# KiCad board NoU2-panelized2.kicad_pcb (continued)
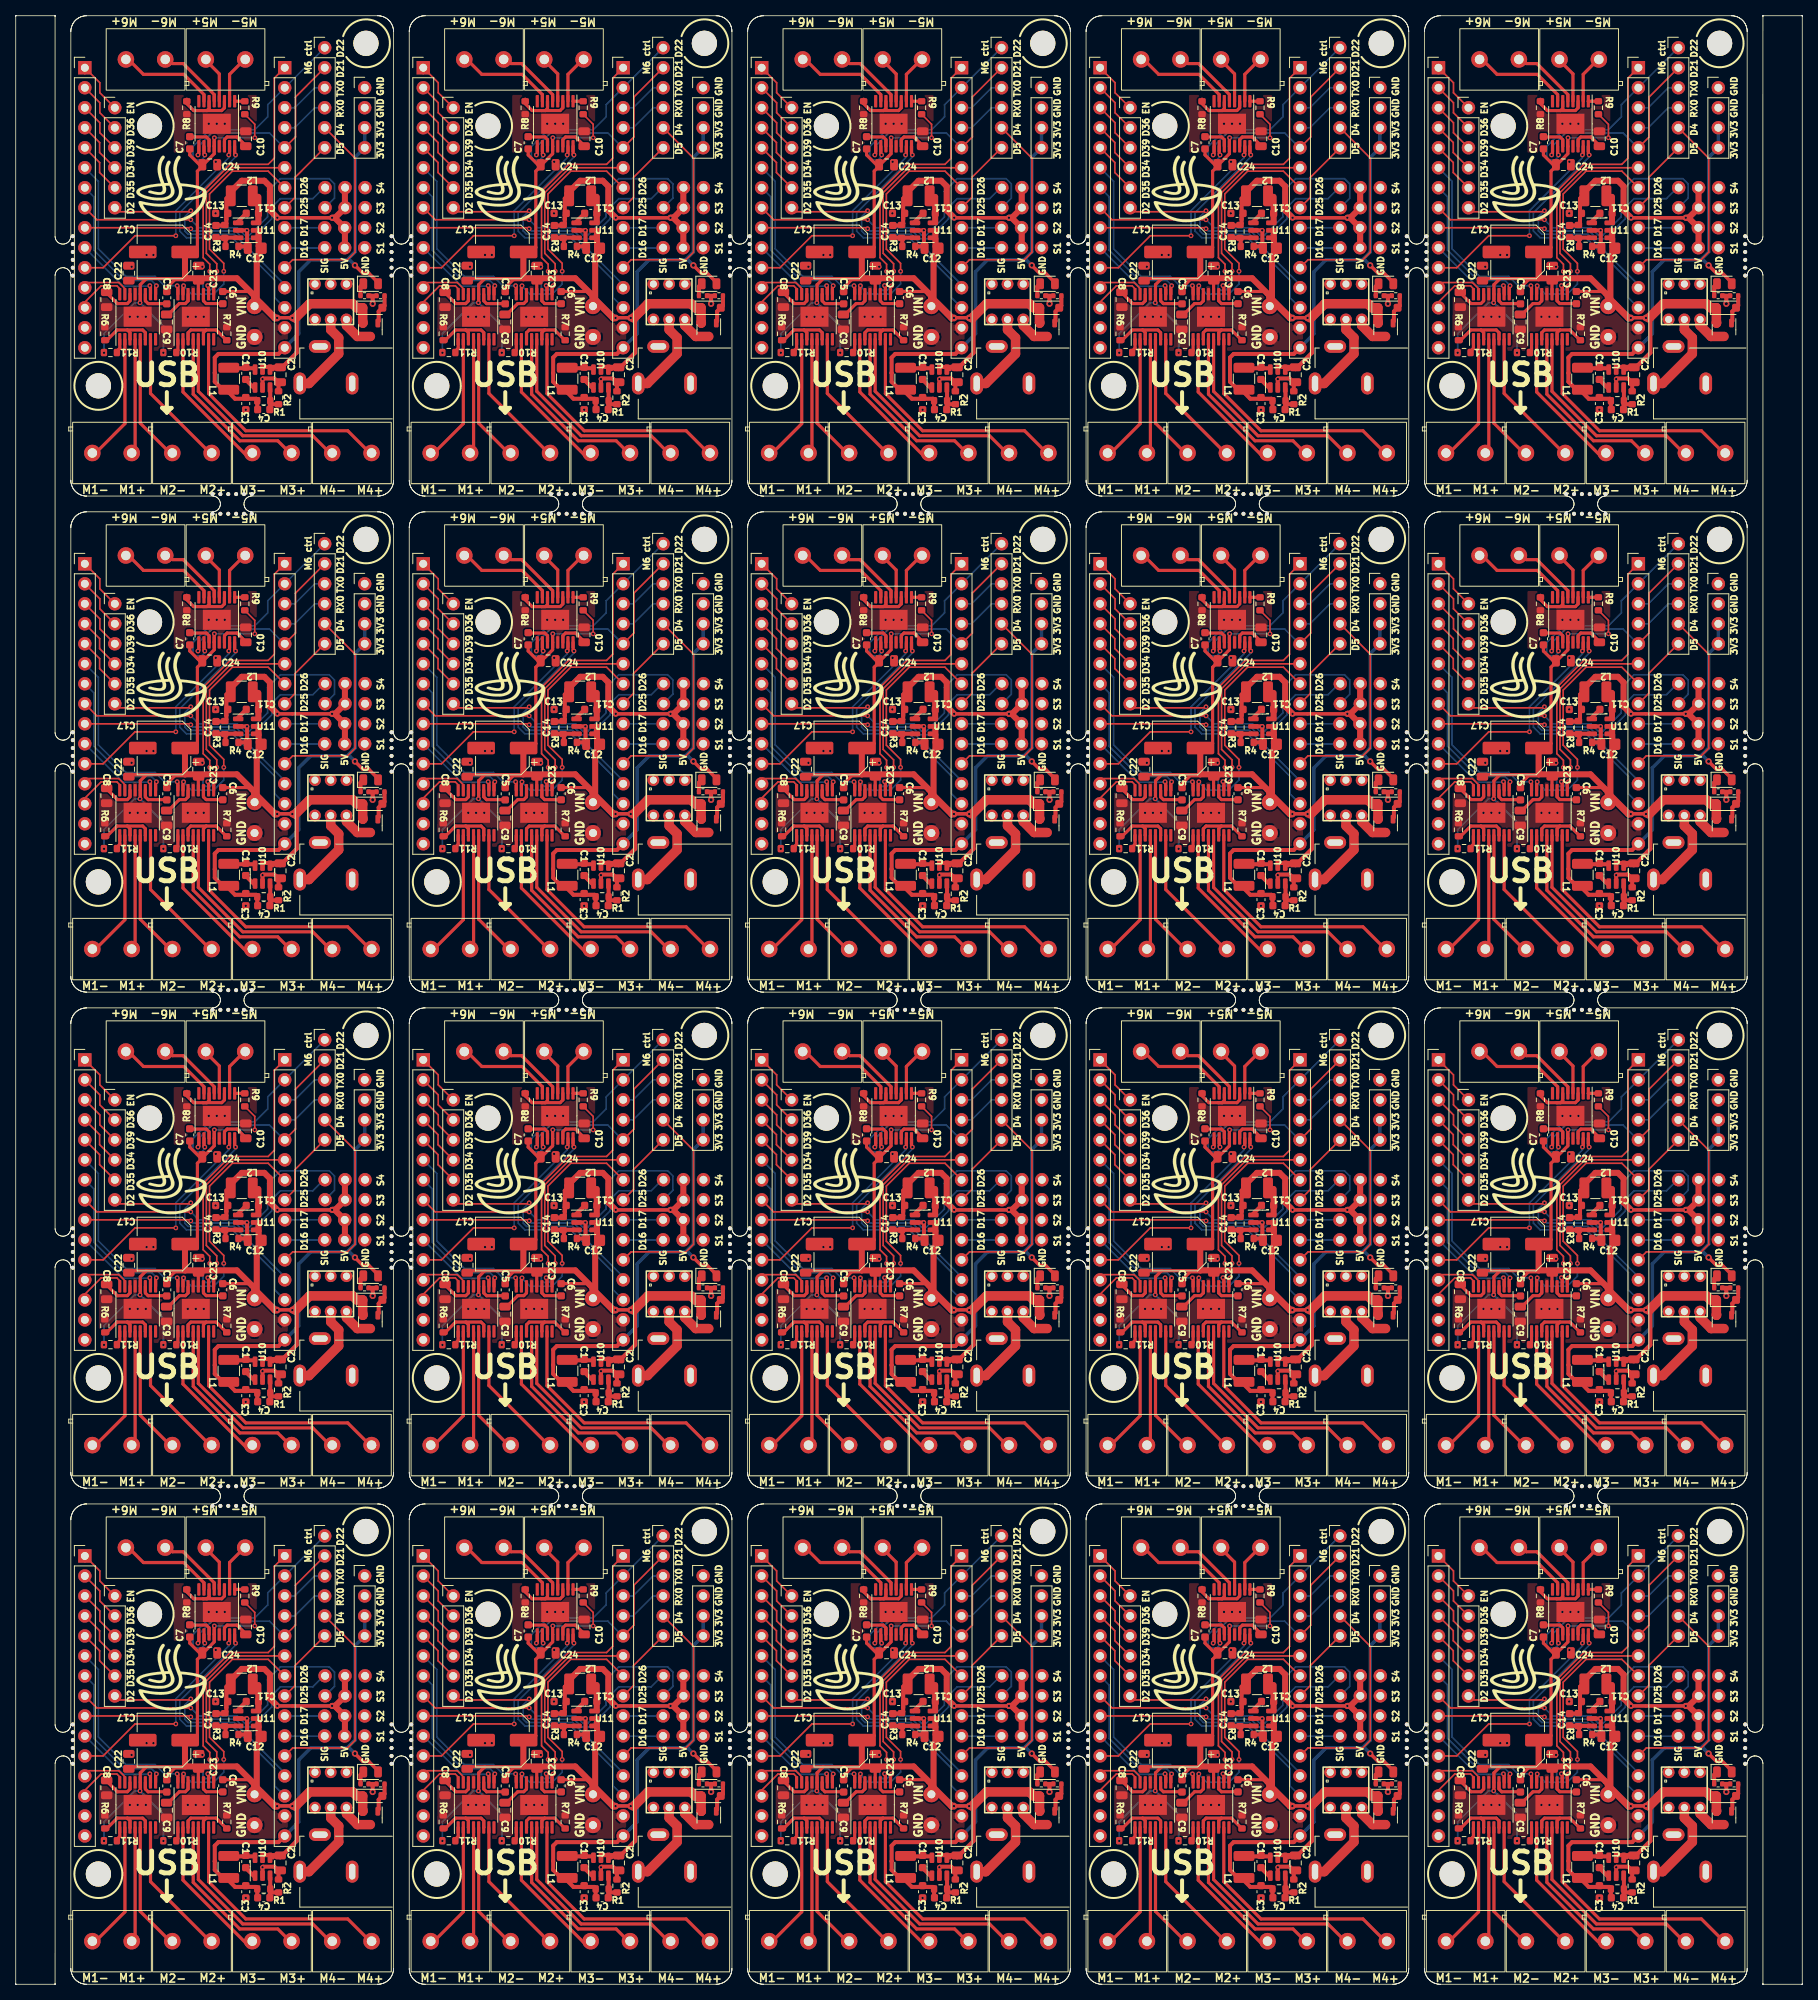
[diagram p0: board, top side]
## Routing (per net, layer and track width the routed paths; a pad name or vN(x,y) marks a point on that pad's centre or on a via; arc(x,y) is an arc through that point) (continued)
Board_3-Net-(U11-BS): length 1.7
  Top w0.508: C11#2.2 157.08,223.7 157.06,223.7
Board_3-Net-(U11-FB): length 3.7
  Top w0.508: 157.06,221.8 157.04,221.82 C14#18.1 ; R3.2 155.65,221.69 R4#13.1
Board_3-Net-(U11-LX): length 3.5
  Top w0.508: 159.7,226.99 159.65,227.04 ; 159.68,224.75 C11#2.1 159.7,225.04
  Top w0.762: 159.83,223.81 159.83,224.86 ; 159.83,225.06 159.83,227
Board_3-RX0: length 6.1
  Bottom w0.203: J5.4 164.45,235.78 166.99,238.32 J1#5.4
Board_3-SRV1: length 5.1
  Top w0.203: 163.21,220.51 J5.10
  Bottom w0.203: 168.28,220.51 163.21,220.51
Board_3-SRV2: length 5.1
  Bottom w0.203: J5.9 168.25,223.08
Board_3-SRV3: length 41.8
  Top w0.203: J2#15.8 139.3,224.09 v2(151.24,224.09)
  Bottom w0.203: v2(151.24,224.09) 152.26,223.08 157.15,223.08 158.08,222.14 158.68,222.14 161,224.46 161,227.68 162.63,229.31 168.83,229.31 169.5,228.64 169.5,226.83 168.28,225.62
Board_3-SRV4: length 34.6
  Top w0.203: J2#15.9 151.15,223.08 v2(151.24,222.95)
  Bottom w0.203: v2(151.24,222.95) 151.52,222.67 156.91,222.67 157.91,221.68 158.99,221.68 161.53,224.22 161.53,225.67 162.63,226.77 166.75,226.77 168.13,228.16 168.28,228.16
Board_3-TX0: length 6.1
  Bottom w0.203: J5.3 164.45,238.32 166.99,240.86 J1#5.3
Board_3-VIN: length 119.5
  Top w0.203: v2(159.37,234.51) 159.37,236.22 R9#14.2
  Top w0.25: J14#7.1 159.74,213.51 159.74,214.1
  Top w0.399: C24#5.1 152.36,231.08 151.11,232.32 C7#6.1 ; C24#5.1 152.7,230.89 152.08,230.26 152.08,220.59 151.5,220 C17#2.1 ; C24#5.1 152.82,231.08 154.22,232.48 U2#4.12 154.21,233.43 154.21,234.51 ; 149.16,216.42 148.19,215.46 C5#6.1 ; 158.01,237.4 R9#14.2 ; 150.54,216.62 145.6,216.62 144.82,215.84 144.82,213.56 144.81,213.55 ; C6#9.1 158.78,214.98 159.04,214.72 ; 152.21,216.36 152.2,216.35 U3#13.12 ; C22.1 143.61,216.6 ; 143.65,216.62 145.63,216.62 ; 150.49,216.47 149.32,216.47
  Top w0.432: v2(162.21,211.62) 162.25,211.65 164.11,211.65 v2(164.14,211.62)
  Top w0.508: 160.65,205.4 161.27,205.4 ; 159.86,219.72 159.86,219.95 C12#15.2 ; 159.86,221.61 159.68,221.8 ; 161.53,205.27 161.69,205.11 ; 162.6,205.11 162.77,205.28 162.79,205.28 164.7,207.2 164.7,211.46 164.54,211.62 ; 162.52,205.41 161.61,205.41
  Top w0.762: C17#2.1 150.5,219.97 150.5,216.66 ; 159.85,221.7 159.85,222.65 ; 150.57,216.66 157.1,216.66 159.34,214.41 J14#7.1 159.62,213.4 159.62,219.48 159.86,219.72 159.86,221.61
  Top w0.864: v2(162.21,211.62) 161.93,211.62 159.34,214.21 159.34,214.41 ; 164.54,211.62 v2(164.14,211.62)
  Top w1.2: 173.11,211.12 Q1#10.2 173.09,211 D3#17.1 172.32,212.92 171.81,213.42 166.34,213.42 164.54,211.62
  Bottom w0.203: 154.21,234.51 v2(159.37,234.51) ; v2(140.22,207.2) 140.22,209.64 144.13,213.55 v2(144.79,213.55)
  Bottom w0.25: v2(144.79,213.55) 147.76,210.58 v2(147.76,207.2)
  Bottom w0.432: v2(162.21,211.62) 162.25,211.65 164.11,211.65 v2(164.14,211.62)
  vias: v2(154.24,234.51)
Board_4-3V3: length 60.9
  Top w0.432: v1(215.1,218.3) 216.1,217.3 216.85,217.3 218.04,216.11 D1#8.2
  Top w0.508: 199.07,202.37 198.94,202.5 198.94,202.29 199.87,201.36 202.56,201.36 202.81,201.11 ; 202.81,200.04 202.86,199.99 ; 199.2,202.25 198.56,202.25 197.29,203.52 197.29,204.63 197.29,204.63 197.29,206.59 197.75,207.05 205.39,207.05 J5#2.15 ; R1#4.1 202.69,200.04
  Bottom w0.432: J3#18.3 J3#18.4 215.11,232.01 215.11,220.01 214.12,219.01 ; v1(215.1,218.3) 214.39,219.01 214.12,219.01 ; 214.12,219.01 209.48,219.01 207.96,217.49 207.96,209.62 J5#2.15
Board_4-5V: length 40.3
  Top w0.432: v2(212.2,224.35) v2(205.24,224.35)
  Top w0.508: C14#4.2 198.5,223.37 R3#15.1 198.76,223.63 198.76,224.14 ; 199.11,227.14 198.76,226.79 198.76,224.14 ; 198.76,224.14 198.76,224.69 198.98,224.9 198.98,225.1
  Top w0.762: 213.82,220.51 213.82,223.05 212.53,224.35 v2(212.2,224.35) 212.58,224.35 213.82,225.59 213.82,228.16 ; v2(205.24,224.35) 204.3,225.29 204.3,228.33 203.59,229.05 201.58,229.05 201.58,229.05 200.72,229.05 199.11,227.43 199.11,227.14
  Bottom w0.432: v2(205.24,224.35) v2(212.2,224.35)
Board_4-/Sheet6057E9B8/D34: length 6.7
  Top w0.203: J4#6.4 182.66,232.63 182.66,233.9 J2#16.4
Board_4-/Sheet6057E9B8/D35: length 6.7
  Top w0.203: J4#6.5 182.66,230.09 182.66,231.36 J2#16.5
Board_4-/Sheet6057E9B8/D36: length 6.7
  Top w0.203: J2#16.2 182.68,238.95 182.68,237.68 J4#6.2
Board_4-/Sheet6057E9B8/D39: length 6.7
  Top w0.203: J4#6.3 182.68,235.14 182.68,236.41 J2#16.3
Board_4-/Sheet6057E9B8/EN: length 7.3
  Top w0.203: J4#6.1 182.68,240.22 182.68,241.49 J2#16.1
  Top w0.399: 180.78,242.76 J2#16.1
Board_4-D2: length 28.7
  Top w0.203: v2(194.24,225.24) 194.11,225.11 185.1,225.11 J4#6.6
  Bottom w0.203: J5#2.12 206.18,215.84 199.77,222.25 193.9,222.25 193.48,222.67 193.48,224.47 v2(194.24,225.24)
Board_4-D4: length 27.2
  Top w0.203: J5#2.11 207.19,219.01 214.15,219.01 215.12,219.98 215.12,231.92 J1#6.5
Board_4-D5: length 9.7
  Top w0.203: J5#2.8 207.5,226.94 207.5,229.48 J1#6.6
Board_4-GND: length 11.5
  Top w0.508: 201.32,199.98 201.33,199.98 ; R4#14.2 201.31,220.71 201.4,220.8 201.4,222.72 v2(201.38,222.75) 200.06,222.75 ; R5#11.2 217.1,214.44 ; 217.1,214.44 R14#10.2 ; 217.1,214.44 217.36,214.19 v1(217.36,213.42) ; R2#9.2 205.39,203.24 C2#10.1 205.33,203.46 204.86,203.93 203.43,203.93 v2(203.36,203.86) 203.36,202.61
  vias: v2(186.49,211.77) v2(186.72,218.12) v2(187.5,211.77) v2(188.53,211.77) v2(188.63,219.62) v2(189.49,219.62) v2(193.86,211.77) v2(194.88,211.77) v2(195.71,218.12) v2(195.89,211.77) v2(196.53,236.28) v2(197.42,231.46) v2(197.39,224.9) v2(197.54,236.28) v2(198.56,236.28) v2(201.23,199.96)
Board_4-M1A: length 6.9
  Top w0.203: 185.22,214.64 185.22,215.33 184.85,215.7 182.85,215.7 180.78,213.63 J2#16.13
Board_4-M1B: length 6.8
  Top w0.203: J2#16.12 180.78,216.12 185.1,216.12 185.87,215.34 185.87,214.64
Board_4-M2A: length 11.3
  Top w0.399: 189.03,215.66 189.12,215.57 189.12,214.64
  Bottom w0.203: J2#16.10 185.66,215.66 189.03,215.66
  vias: v2(189.03,215.72)
Board_4-M2B: length 19.4
  Top w0.399: 189.77,214.64 189.77,215.56 189.87,215.66
  Bottom w0.203: J2#16.7 181.93,227 181.93,220.22 185.78,216.37 189.26,216.37 189.87,215.76 v2(189.87,215.71) 189.87,215.66 189.87,215.72
Board_4-M3A: length 24
  Top w0.399: 192.51,215.66 192.6,215.57 U3#11.16
  Bottom w0.203: v2(192.51,215.72) 190.88,215.72 189.7,216.9 186,216.9 182.5,220.4 182.5,228.97 J2#16.6
Board_4-M3B: length 30.9
  Top w0.203: J5#2.7 204.07,230.26 199.52,230.26 196.62,227.36 196.62,220.36 198.43,218.55 v2(198.43,217.54) ; 193.25,215.58 193.33,215.66
  Top w0.399: U3#11.15 193.25,215.58
  Bottom w0.203: v2(198.43,217.54) 198.43,215.93 197.15,214.65 194.34,214.65 193.33,215.66
  vias: v2(193.33,215.71)
Board_4-M4A: length 25.2
  Top w0.203: J5#2.6 199.39,230.7 196.22,227.53 196.22,219.83 197.54,218.5 v2(197.54,217.54)
  Top w0.399: 196.4,215.66 196.5,215.56 U3#11.10
  Bottom w0.203: v2(197.54,217.54) 197.54,216.82 196.4,215.67 196.4,215.66
  vias: v2(196.4,215.74)
Board_4-M4B: length 38.7
  Top w0.203: v2(196.65,217.54) 196.65,218.44 195.82,219.28 195.82,227.7 199.24,231.13 204.07,231.13 204.86,231.92 204.86,242.08 J5#2.1
  Top w0.399: U3#11.9 197.15,215.55 197.26,215.66
  Bottom w0.203: v2(197.29,215.71) 196.71,215.13 196.11,215.13 195.79,215.44 195.79,216.12 196.65,216.98 v2(196.65,217.54)
Board_4-M5A: length 32.5
  Top w0.399: 199.93,232.37 v2(199.93,232.32) 199.82,232.43 U2#2.16
  Bottom w0.203: v2(199.93,232.32) 199.93,232.07 192.84,224.98 192.84,222.65 193.69,221.81 199.51,221.81 204.91,216.41 204.91,214.19 206.18,212.92 J5#2.13
Board_4-M5B: length 27.4
  Top w0.203: J2#16.11 183.1,218 187.16,222.06 v2(192.34,222.06)
  Top w0.399: 199.07,232.37 199.17,232.47 U2#2.15
  Bottom w0.203: 199.07,232.37 199.07,231.97 192.34,225.24 v2(192.34,222.06)
  vias: v2(199.07,232.32)
Board_4-M6A: length 27.3
  Top w0.203: 211.25,245.94 J1#6.1
  Top w0.399: 196.02,232.37 195.92,232.47 U2#2.10
  Bottom w0.203: v2(196.02,232.32) 196.02,232.12 195.59,231.69 194.85,231.69 194.53,232.02 194.53,233.39 196.65,235.52 202.37,235.52 204.02,237.17 204.02,238.7 J5#2.2 211.25,245.94
Board_4-M6B: length 26.9
  Top w0.203: J5#2.5 207.55,234.61 207.55,239.69 J1#6.2
  Top w0.399: U2#2.9 195.27,232.49 195.16,232.37
  Bottom w0.203: 195.16,232.37 195.27,232.49 195.27,233.46 196.92,235.11 204.24,235.11 206.11,233.24 J5#2.5
  vias: v2(195.16,232.32)
Board_4-Net-(D1-K): length 1.7
  Top w0.508: R14#10.1 215.81,215.61 D1#8.1
Board_4-Net-(D3-A): length 3.7
  Top w0.508: 218.01,211.12 218.12,211.23 218.12,212.45 D3#11.2 218.86,213.19 R5#11.1
Board_4-Net-(J10-Pad1): length 11.3
  Top w1.2: 208.08,203.3 209.26,203.3 213.04,207.07 213.04,209.11 212.02,210.12 U4#14.5
Board_4-Net-(J11-Pin_1): length 14.9
  Top w0.399: 187.17,208.91 187.17,194.42 186.88,194.12
Board_4-Net-(J11-Pin_2): length 16.5
  Top w0.399: 185.87,208.91 185.87,198.2 181.8,194.12
Board_4-Net-(J15-Pin_1): length 18.1
  Top w0.399: 189.12,208.91 189.12,202.03 197.03,194.12
Board_4-Net-(J15-Pin_2): length 16.5
  Top w0.399: 191.96,194.12 187.82,198.25 187.82,208.91
Board_4-Net-(J16-Pin_1): length 22.9
  Top w0.399: U3#11.4 194.55,201.94 200.47,196.02 205.3,196.02 207.19,194.12
Board_4-Net-(J16-Pin_2): length 18.9
  Top w0.399: U3#11.2 193.25,202.22 201.35,194.12 202.12,194.12
Board_4-Net-(J17-Pin_1): length 31
  Top w0.399: 217.36,194.12 214.18,197.3 201.23,197.3 196.5,202.02 U3#11.7
Board_4-Net-(J17-Pin_2): length 27.1
  Top w0.399: U3#11.5 195.2,202.3 200.84,196.66 209.74,196.66 212.28,194.12
Board_4-Net-(J18-Pin_1): length 6.4
  Top w0.399: 196.15,244.79 196.15,244.34 197.87,242.61 U2#2.4
Board_4-Net-(J18-Pin_2): length 6.5
  Top w0.399: 201.23,244.79 201.23,244.62 199.17,242.56 U2#2.2
Board_4-Net-(J19-Pin_1): length 12.8
  Top w0.399: 185.99,244.79 188.22,242.56 193.35,242.56 195.92,239.99 U2#2.7
Board_4-Net-(J19-Pin_2): length 9
  Top w0.399: U2#2.5 197.22,239.99 193.28,243.93 191.93,243.93 191.07,244.79
Board_4-Net-(Q1-D): length 4.4
  Top w1.2: Q1#8.3 215.41,209.27 214.02,210.66 U4#14.6
Board_4-Net-(U1-AISEN): length 7.8
  Top w0.399: 183.7,208.66 183.7,208.91 184.89,210.1 186.18,210.1 ; 186.52,208.91 186.52,208.91 186.52,209.75 186.18,210.1 ; 186.18,210.1 188.13,210.1 188.47,209.75 188.47,208.91 188.47,208.91
Board_4-Net-(U1-nSLEEP): length 1.8
  Top w0.399: 184.78,207.33 185.22,207.77 185.22,208.91
Board_4-Net-(U1-VCP): length 3.7
  Top w0.399: 188.47,214.64 188.47,213.79 188.82,213.44 191.16,213.44 C5#5.2
Board_4-Net-(U1-VINT): length 4.6
  Top w0.399: C8#6.1 183.55,214.81 184.91,213.45 186.18,213.45 186.52,213.79 186.52,214.64
Board_4-Net-(U2-AISEN): length 8.5
  Top w0.399: U2#2.3 198.52,238.3 198.17,237.96 195.79,237.96 ; 195.79,237.96 196.3,237.96 196.57,238.23 U2#2.6 ; 195.79,237.96 194.61,237.96 193.73,238.84 193.73,239.4
Board_4-Net-(U2-nSLEEP): length 1.3
  Top w0.399: U2#2.1 199.82,239.14 R9#12.1
Board_4-Net-(U2-VCP): length 3.5
  Top w0.399: C7#10.2 194.15,234.61 196.22,234.61 196.57,234.27 U2#2.11
Board_4-Net-(U2-VINT): length 4.2
  Top w0.399: U2#2.14 198.52,234.27 198.86,234.61 200.12,234.61 201.23,233.51 C10#19.1
Board_4-Net-(U3-AISEN): length 7.8
  Top w0.399: 196.19,210.1 197.47,210.1 198.69,208.89 198.69,208.66 ; 196.19,210.1 194.24,210.1 193.9,209.75 U3#11.3 193.9,208.91 ; 196.19,210.1 195.85,209.75 U3#11.6 195.84,208.9
Board_4-Net-(U3-nSLEEP): length 1.7
  Top w0.399: U3#11.1 192.6,207.53 192.4,207.33
Board_4-Net-(U3-VCP): length 3.4
  Top w0.399: C6#2.2 198.28,213.45 196.19,213.45 195.85,213.79 U3#11.11
Board_4-Net-(U3-VINT): length 4.3
  Top w0.399: C9#4.1 191.4,212.06 192.78,213.45 193.56,213.45 193.9,213.79 U3#11.14
Board_4-Net-(U10-BS): length 1.7
  Top w0.508: 201.2,203.8 202.37,202.63 ; 201.33,203.81 201.33,203.78
Board_4-Net-(U10-FB): length 4.1
  Top w0.508: C4#19.1 204.29,201.06 ; 204.29,201.06 R1#4.2 204.34,202.59 ; 204.29,201.06 204.29,200.84 204.46,200.66 R2#9.1 ; 204.41,201.06 204.46,201.11
Board_4-Net-(U10-LX): length 3.3
  Top w0.508: 202.43,205.23 199.15,205.23
Board_4-Net-(U11-BS): length 1.7
  Top w0.508: C11#11.2 200.08,223.7 200.06,223.7
Board_4-Net-(U11-FB): length 3.7
  Top w0.508: 200.06,221.8 200.04,221.82 C14#4.1 ; R3#15.2 198.65,221.69 R4#14.1
Board_4-Net-(U11-LX): length 3.5
  Top w0.508: 202.7,226.99 202.65,227.04 ; 202.68,224.75 C11#11.1 202.7,225.04
  Top w0.762: 202.83,223.81 202.83,224.86 ; 202.83,225.06 202.83,227
Board_4-RX0: length 6.1
  Bottom w0.203: J5#2.4 207.45,235.78 209.99,238.32 J1#6.4
Board_4-SRV1: length 5.1
  Top w0.203: 206.21,220.51 J5#2.10
  Bottom w0.203: 211.28,220.51 206.21,220.51
Board_4-SRV2: length 5.1
  Bottom w0.203: J5#2.9 211.25,223.08
Board_4-SRV3: length 41.8
  Top w0.203: J2#16.8 182.3,224.09 v2(194.24,224.09)
  Bottom w0.203: v2(194.24,224.09) 195.26,223.08 200.15,223.08 201.08,222.14 201.68,222.14 204,224.46 204,227.68 205.63,229.31 211.83,229.31 212.5,228.64 212.5,226.83 211.28,225.62
Board_4-SRV4: length 34.6
  Top w0.203: J2#16.9 194.15,223.08 v2(194.24,222.95)
  Bottom w0.203: v2(194.24,222.95) 194.52,222.67 199.91,222.67 200.91,221.68 201.99,221.68 204.53,224.22 204.53,225.67 205.63,226.77 209.75,226.77 211.13,228.16 211.28,228.16
Board_4-TX0: length 6.1
  Bottom w0.203: J5#2.3 207.45,238.32 209.99,240.86 J1#6.3
Board_4-VIN: length 119.5
  Top w0.203: v2(202.37,234.51) 202.37,236.22 R9#12.2
  Top w0.25: J14#9.1 202.74,213.51 202.74,214.1
  Top w0.399: C24#2.1 195.36,231.08 194.11,232.32 C7#10.1 ; C24#2.1 195.7,230.89 195.08,230.26 195.08,220.59 194.5,220 C17#5.1 ; C24#2.1 195.82,231.08 197.22,232.48 U2#2.12 197.21,233.43 197.21,234.51 ; 192.16,216.42 191.19,215.46 C5#5.1 ; 201.01,237.4 R9#12.2 ; 193.54,216.62 188.6,216.62 187.82,215.84 187.82,213.56 187.81,213.55 ; C6#2.1 201.78,214.98 202.04,214.72 ; 195.21,216.36 195.2,216.35 U3#11.12 ; C22#9.1 186.61,216.6 ; 186.65,216.62 188.63,216.62 ; 193.49,216.47 192.32,216.47
  Top w0.432: v2(205.21,211.62) 205.25,211.65 207.11,211.65 v2(207.14,211.62)
  Top w0.508: 203.65,205.4 204.27,205.4 ; 202.86,219.72 202.86,219.95 C12#13.2 ; 202.86,221.61 202.68,221.8 ; 204.53,205.27 204.69,205.11 ; 205.6,205.11 205.77,205.28 205.79,205.28 207.7,207.2 207.7,211.46 207.54,211.62 ; 205.52,205.41 204.61,205.41
  Top w0.762: C17#5.1 193.5,219.97 193.5,216.66 ; 202.85,221.7 202.85,222.65 ; 193.57,216.66 200.1,216.66 202.34,214.41 J14#9.1 202.62,213.4 202.62,219.48 202.86,219.72 202.86,221.61
  Top w0.864: v2(205.21,211.62) 204.93,211.62 202.34,214.21 202.34,214.41 ; 207.54,211.62 v2(207.14,211.62)
  Top w1.2: 216.11,211.12 Q1#8.2 216.09,211 D3#11.1 215.32,212.92 214.81,213.42 209.34,213.42 207.54,211.62
  Bottom w0.203: 197.21,234.51 v2(202.37,234.51) ; v2(183.22,207.2) 183.22,209.64 187.13,213.55 v2(187.79,213.55)
  Bottom w0.25: v2(187.79,213.55) 190.76,210.58 v2(190.76,207.2)
  Bottom w0.432: v2(205.21,211.62) 205.25,211.65 207.11,211.65 v2(207.14,211.62)
  vias: v2(197.24,234.51)
Board_5-3V3: length 60.9
  Top w0.432: v1(43.1,155.3) 44.1,154.3 44.85,154.3 46.04,153.11 D1#9.2
  Top w0.508: 27.07,139.37 26.94,139.5 26.94,139.29 27.87,138.36 30.56,138.36 30.81,138.1 ; 30.81,137.04 30.86,136.99 ; 27.2,139.25 26.56,139.25 25.29,140.52 25.29,141.63 25.29,141.63 25.29,143.59 25.75,144.05 33.39,144.05 J5#12.15 ; R1#20.1 30.69,137.04
  Bottom w0.432: J3#4.3 J3#4.4 43.11,169.01 43.11,157.01 42.12,156.01 ; v1(43.1,155.3) 42.39,156.01 42.12,156.01 ; 42.12,156.01 37.48,156.01 35.96,154.49 35.96,146.62 J5#12.15
Board_5-5V: length 40.3
  Top w0.432: v2(40.2,161.35) v2(33.24,161.35)
  Top w0.508: C14.2 26.5,160.37 R3#9.1 26.76,160.63 26.76,161.14 ; 27.11,164.14 26.76,163.79 26.76,161.14 ; 26.76,161.14 26.76,161.69 26.98,161.9 26.98,162.1
  Top w0.762: 41.82,157.51 41.82,160.05 40.53,161.35 v2(40.2,161.35) 40.58,161.35 41.82,162.59 41.82,165.16 ; v2(33.24,161.35) 32.3,162.29 32.3,165.33 31.59,166.05 29.58,166.05 29.58,166.05 28.72,166.05 27.11,164.43 27.11,164.14
  Bottom w0.432: v2(33.24,161.35) v2(40.2,161.35)
Board_5-/Sheet6057E9B8/D34: length 6.7
  Top w0.203: J4#16.4 10.66,169.63 10.66,170.9 J2#3.4
Board_5-/Sheet6057E9B8/D35: length 6.7
  Top w0.203: J4#16.5 10.66,167.09 10.66,168.36 J2#3.5
Board_5-/Sheet6057E9B8/D36: length 6.7
  Top w0.203: J2#3.2 10.68,175.95 10.68,174.68 J4#16.2
Board_5-/Sheet6057E9B8/D39: length 6.7
  Top w0.203: J4#16.3 10.68,172.14 10.68,173.41 J2#3.3
Board_5-/Sheet6057E9B8/EN: length 7.3
  Top w0.203: J4#16.1 10.68,177.22 10.68,178.49 J2#3.1
  Top w0.399: 8.78,179.76 J2#3.1
Board_5-D2: length 28.7
  Top w0.203: v2(22.24,162.24) 22.11,162.11 13.1,162.11 J4#16.6
  Bottom w0.203: J5#12.12 34.18,152.84 27.77,159.25 21.9,159.25 21.48,159.67 21.48,161.47 v2(22.24,162.24)
Board_5-D4: length 27.2
  Top w0.203: J5#12.11 35.19,156.01 42.15,156.01 43.12,156.98 43.12,168.92 J1#14.5
Board_5-D5: length 9.7
  Top w0.203: J5#12.8 35.5,163.94 35.5,166.48 J1#14.6
Board_5-GND: length 11.5
  Top w0.508: 29.32,136.98 29.33,136.98 ; R4#10.2 29.31,157.71 29.4,157.8 29.4,159.72 v2(29.38,159.75) 28.06,159.75 ; R5#12.2 45.1,151.44 ; 45.1,151.44 R14#19.2 ; 45.1,151.44 45.35,151.19 v1(45.35,150.42) ; 33.39,139.31 33.39,140.24 33.61,140.46 33.33,140.46 32.86,140.93 31.43,140.93 v2(31.36,140.86) 31.36,139.61
  vias: v2(14.49,148.77) v2(14.72,155.12) v2(15.5,148.77) v2(16.53,148.77) v2(16.63,156.62) v2(17.49,156.62) v2(21.86,148.77) v2(22.88,148.77) v2(23.71,155.12) v2(23.89,148.77) v2(24.53,173.28) v2(25.42,168.46) v2(25.39,161.9) v2(25.54,173.28) v2(26.56,173.28) v2(29.23,136.96)
Board_5-M1A: length 6.9
  Top w0.203: 13.22,151.64 13.22,152.33 12.85,152.7 10.85,152.7 8.78,150.63 J2#3.13
Board_5-M1B: length 6.8
  Top w0.203: J2#3.12 8.78,153.12 13.1,153.12 13.87,152.34 13.87,151.64
Board_5-M2A: length 11.3
  Top w0.399: 17.03,152.66 17.12,152.57 17.12,151.64
  Bottom w0.203: J2#3.10 13.66,152.66 17.03,152.66
  vias: v2(17.03,152.72)
Board_5-M2B: length 19.4
  Top w0.399: 17.77,151.64 17.77,152.56 17.87,152.66
  Bottom w0.203: J2#3.7 9.93,164 9.93,157.22 13.78,153.37 17.26,153.37 17.87,152.76 v2(17.87,152.71) 17.87,152.66 17.87,152.72
Board_5-M3A: length 24
  Top w0.399: 20.51,152.66 20.6,152.57 U3#9.16
  Bottom w0.203: v2(20.51,152.72) 18.88,152.72 17.7,153.9 14,153.9 10.5,157.4 10.5,165.97 J2#3.6
Board_5-M3B: length 30.9
  Top w0.203: J5#12.7 32.07,167.26 27.52,167.26 24.62,164.36 24.62,157.36 26.43,155.55 v2(26.43,154.54) ; 21.25,152.58 21.33,152.66
  Top w0.399: U3#9.15 21.25,152.58
  Bottom w0.203: v2(26.43,154.54) 26.43,152.93 25.15,151.65 22.34,151.65 21.33,152.66
  vias: v2(21.33,152.71)
Board_5-M4A: length 25.2
  Top w0.203: J5#12.6 27.39,167.7 24.22,164.53 24.22,156.83 25.54,155.5 v2(25.54,154.54)
  Top w0.399: 24.4,152.66 24.5,152.56 U3#9.10
  Bottom w0.203: v2(25.54,154.54) 25.54,153.82 24.4,152.67 24.4,152.66
  vias: v2(24.4,152.74)
Board_5-M4B: length 38.7
  Top w0.203: v2(24.65,154.54) 24.65,155.44 23.82,156.28 23.82,164.7 27.24,168.13 32.07,168.13 32.86,168.92 32.86,179.08 J5#12.1
  Top w0.399: U3#9.9 25.15,152.55 25.26,152.66
  Bottom w0.203: v2(25.29,152.71) 24.71,152.13 24.11,152.13 23.79,152.44 23.79,153.12 24.65,153.98 v2(24.65,154.54)
Board_5-M5A: length 32.5
  Top w0.399: 27.93,169.37 v2(27.93,169.32) 27.82,169.43 U2.16
  Bottom w0.203: v2(27.93,169.32) 27.93,169.07 20.84,161.98 20.84,159.65 21.69,158.81 27.51,158.81 32.91,153.41 32.91,151.19 34.18,149.92 J5#12.13
Board_5-M5B: length 27.4
  Top w0.203: J2#3.11 11.1,155 15.16,159.06 v2(20.34,159.06)
  Top w0.399: 27.07,169.37 27.17,169.47 U2.15
  Bottom w0.203: 27.07,169.37 27.07,168.97 20.34,162.24 v2(20.34,159.06)
  vias: v2(27.07,169.32)
Board_5-M6A: length 27.3
  Top w0.203: 39.26,182.94 J1#14.1
  Top w0.399: 24.02,169.37 23.92,169.47 U2.10
  Bottom w0.203: v2(24.02,169.32) 24.02,169.12 23.59,168.69 22.85,168.69 22.53,169.02 22.53,170.39 24.65,172.52 30.37,172.52 32.02,174.17 32.02,175.7 J5#12.2 39.26,182.94
Board_5-M6B: length 26.9
  Top w0.203: J5#12.5 35.55,171.61 35.55,176.69 J1#14.2
  Top w0.399: U2.9 23.27,169.49 23.16,169.37
  Bottom w0.203: 23.16,169.37 23.27,169.49 23.27,170.46 24.92,172.11 32.24,172.11 34.11,170.24 J5#12.5
  vias: v2(23.16,169.32)
Board_5-Net-(D1-K): length 1.7
  Top w0.508: R14#19.1 43.81,152.61 D1#9.1
Board_5-Net-(D3-A): length 3.7
  Top w0.508: 46.01,148.12 46.12,148.23 46.12,149.45 D3#19.2 46.86,150.19 R5#12.1
Board_5-Net-(J10-Pad1): length 11.3
  Top w1.2: 36.08,140.3 37.26,140.3 41.04,144.07 41.04,146.11 40.02,147.12 U4#13.5
Board_5-Net-(J11-Pin_1): length 14.9
  Top w0.399: 15.17,145.91 15.17,131.42 14.88,131.12
Board_5-Net-(J11-Pin_2): length 16.5
  Top w0.399: 13.87,145.91 13.87,135.2 9.79,131.12
Board_5-Net-(J15-Pin_1): length 18.1
  Top w0.399: 17.12,145.91 17.12,139.03 25.03,131.12
Board_5-Net-(J15-Pin_2): length 16.5
  Top w0.399: 19.95,131.12 15.82,135.25 15.82,145.91
Board_5-Net-(J16-Pin_1): length 22.9
  Top w0.399: U3#9.4 22.55,138.94 28.47,133.02 33.3,133.02 35.2,131.12
Board_5-Net-(J16-Pin_2): length 18.9
  Top w0.399: U3#9.2 21.25,139.22 29.35,131.12 30.12,131.12
Board_5-Net-(J17-Pin_1): length 31
  Top w0.399: 45.35,131.12 42.18,134.29 29.23,134.29 24.5,139.02 U3#9.7
Board_5-Net-(J17-Pin_2): length 27.1
  Top w0.399: U3#9.5 23.2,139.3 28.84,133.66 37.73,133.66 40.27,131.12
Board_5-Net-(J18-Pin_1): length 6.4
  Top w0.399: 24.15,181.79 24.15,181.34 25.87,179.61 U2.4
Board_5-Net-(J18-Pin_2): length 6.5
  Top w0.399: 29.23,181.79 29.23,181.62 27.17,179.56 U2.2
Board_5-Net-(J19-Pin_1): length 12.8
  Top w0.399: 13.99,181.79 16.22,179.56 21.35,179.56 23.92,176.99 U2.7
Board_5-Net-(J19-Pin_2): length 9
  Top w0.399: U2.5 25.22,176.99 21.28,180.93 19.93,180.93 19.07,181.79
Board_5-Net-(Q1-D): length 4.4
  Top w1.2: Q1#5.3 43.41,146.27 42.02,147.66 U4#13.6
Board_5-Net-(U1-AISEN): length 7.8
  Top w0.399: 11.7,145.66 11.7,145.91 12.89,147.1 14.18,147.1 ; 14.52,145.91 14.52,145.91 14.52,146.75 14.18,147.1 ; 14.18,147.1 16.13,147.1 16.47,146.75 16.47,145.91 16.47,145.91
Board_5-Net-(U1-nSLEEP): length 1.8
  Top w0.399: 12.78,144.33 13.22,144.77 13.22,145.91
Board_5-Net-(U1-VCP): length 3.7
  Top w0.399: 16.47,151.64 16.47,150.79 16.82,150.44 19.16,150.44 C5#11.2
Board_5-Net-(U1-VINT): length 4.6
  Top w0.399: C8#9.1 11.55,151.81 12.91,150.45 14.18,150.45 14.52,150.79 14.52,151.64
Board_5-Net-(U2-AISEN): length 8.5
  Top w0.399: U2.3 26.52,175.3 26.17,174.96 23.79,174.96 ; 23.79,174.96 24.3,174.96 24.57,175.23 U2.6 ; 23.79,174.96 22.61,174.96 21.73,175.83 21.73,176.4
Board_5-Net-(U2-nSLEEP): length 1.3
  Top w0.399: U2.1 27.82,176.14 R9#7.1
Board_5-Net-(U2-VCP): length 3.5
  Top w0.399: C7#16.2 22.15,171.61 24.22,171.61 24.57,171.27 U2.11
Board_5-Net-(U2-VINT): length 4.2
  Top w0.399: U2.14 26.52,171.27 26.86,171.61 28.12,171.61 29.23,170.51 C10#8.1
Board_5-Net-(U3-AISEN): length 7.8
  Top w0.399: 24.19,147.1 25.47,147.1 26.69,145.89 26.69,145.66 ; 24.19,147.1 22.24,147.1 21.9,146.75 U3#9.3 21.9,145.91 ; 24.19,147.1 23.85,146.75 U3#9.6 23.84,145.9
Board_5-Net-(U3-nSLEEP): length 1.7
  Top w0.399: U3#9.1 20.6,144.53 20.4,144.33
Board_5-Net-(U3-VCP): length 3.4
  Top w0.399: C6#6.2 26.28,150.45 24.19,150.45 23.85,150.79 U3#9.11
Board_5-Net-(U3-VINT): length 4.3
  Top w0.399: C9#2.1 19.4,149.06 20.78,150.45 21.56,150.45 21.9,150.79 U3#9.14
Board_5-Net-(U10-BS): length 1.7
  Top w0.508: 29.2,140.8 30.37,139.63 ; 29.33,140.81 29.33,140.78
Board_5-Net-(U10-FB): length 4.1
  Top w0.508: C4#17.1 32.29,138.06 ; 32.29,138.06 R1#20.2 32.34,139.59 ; 32.29,138.06 32.29,137.84 32.46,137.66 R2#19.1 ; 32.41,138.06 32.46,138.1
Board_5-Net-(U10-LX): length 3.3
  Top w0.508: 30.43,142.23 27.15,142.23
Board_5-Net-(U11-BS): length 1.7
  Top w0.508: C11#5.2 28.08,160.7 28.06,160.7
Board_5-Net-(U11-FB): length 3.7
  Top w0.508: 28.06,158.8 28.04,158.82 C14.1 ; R3#9.2 26.65,158.69 R4#10.1
Board_5-Net-(U11-LX): length 3.5
  Top w0.508: 30.7,163.99 30.65,164.04 ; 30.68,161.75 C11#5.1 30.7,162.04
  Top w0.762: 30.83,160.81 30.83,161.86 ; 30.83,162.06 30.83,164
Board_5-RX0: length 6.1
  Bottom w0.203: J5#12.4 35.45,172.78 37.99,175.32 J1#14.4
Board_5-SRV1: length 5.1
  Top w0.203: 34.21,157.51 J5#12.10
  Bottom w0.203: 39.28,157.51 34.21,157.51
Board_5-SRV2: length 5.1
  Bottom w0.203: J5#12.9 39.26,160.08
Board_5-SRV3: length 41.8
  Top w0.203: J2#3.8 10.3,161.09 v2(22.24,161.09)
  Bottom w0.203: v2(22.24,161.09) 23.26,160.08 28.15,160.08 29.08,159.14 29.68,159.14 32,161.46 32,164.68 33.63,166.31 39.83,166.31 40.5,165.64 40.5,163.83 39.28,162.62
Board_5-SRV4: length 34.6
  Top w0.203: J2#3.9 22.15,160.08 v2(22.24,159.95)
  Bottom w0.203: v2(22.24,159.95) 22.52,159.67 27.91,159.67 28.91,158.68 29.99,158.68 32.53,161.22 32.53,162.67 33.63,163.77 37.75,163.77 39.13,165.16 39.28,165.16
Board_5-TX0: length 6.1
  Bottom w0.203: J5#12.3 35.45,175.32 37.99,177.86 J1#14.3
Board_5-VIN: length 119.5
  Top w0.203: v2(30.37,171.51) 30.37,173.22 R9#7.2
  Top w0.25: J14#8.1 30.74,150.51 30.74,151.1
  Top w0.399: 23.7,168.08 23.36,168.08 22.11,169.32 C7#16.1 ; 23.7,168.08 23.7,167.89 23.08,167.26 23.08,157.59 22.49,157 C17#12.1 ; 23.7,168.08 23.82,168.08 25.22,169.48 U2.12 25.21,170.43 25.21,171.51 ; 20.16,153.42 19.19,152.46 19.19,151.96 ; 29.01,174.4 R9#7.2 ; 21.54,153.62 16.6,153.62 15.82,152.84 15.82,150.56 15.81,150.55 ; C6#6.1 29.78,151.98 30.04,151.72 ; 23.21,153.36 23.2,153.36 U3#9.12 ; C22#10.1 14.61,153.6 ; 14.65,153.62 16.63,153.62 ; 21.49,153.47 20.32,153.47